# Altium PCB MicroSpecSensorBoard_Layout_V2_1.PcbDoc (part 1 of 2) (continued)
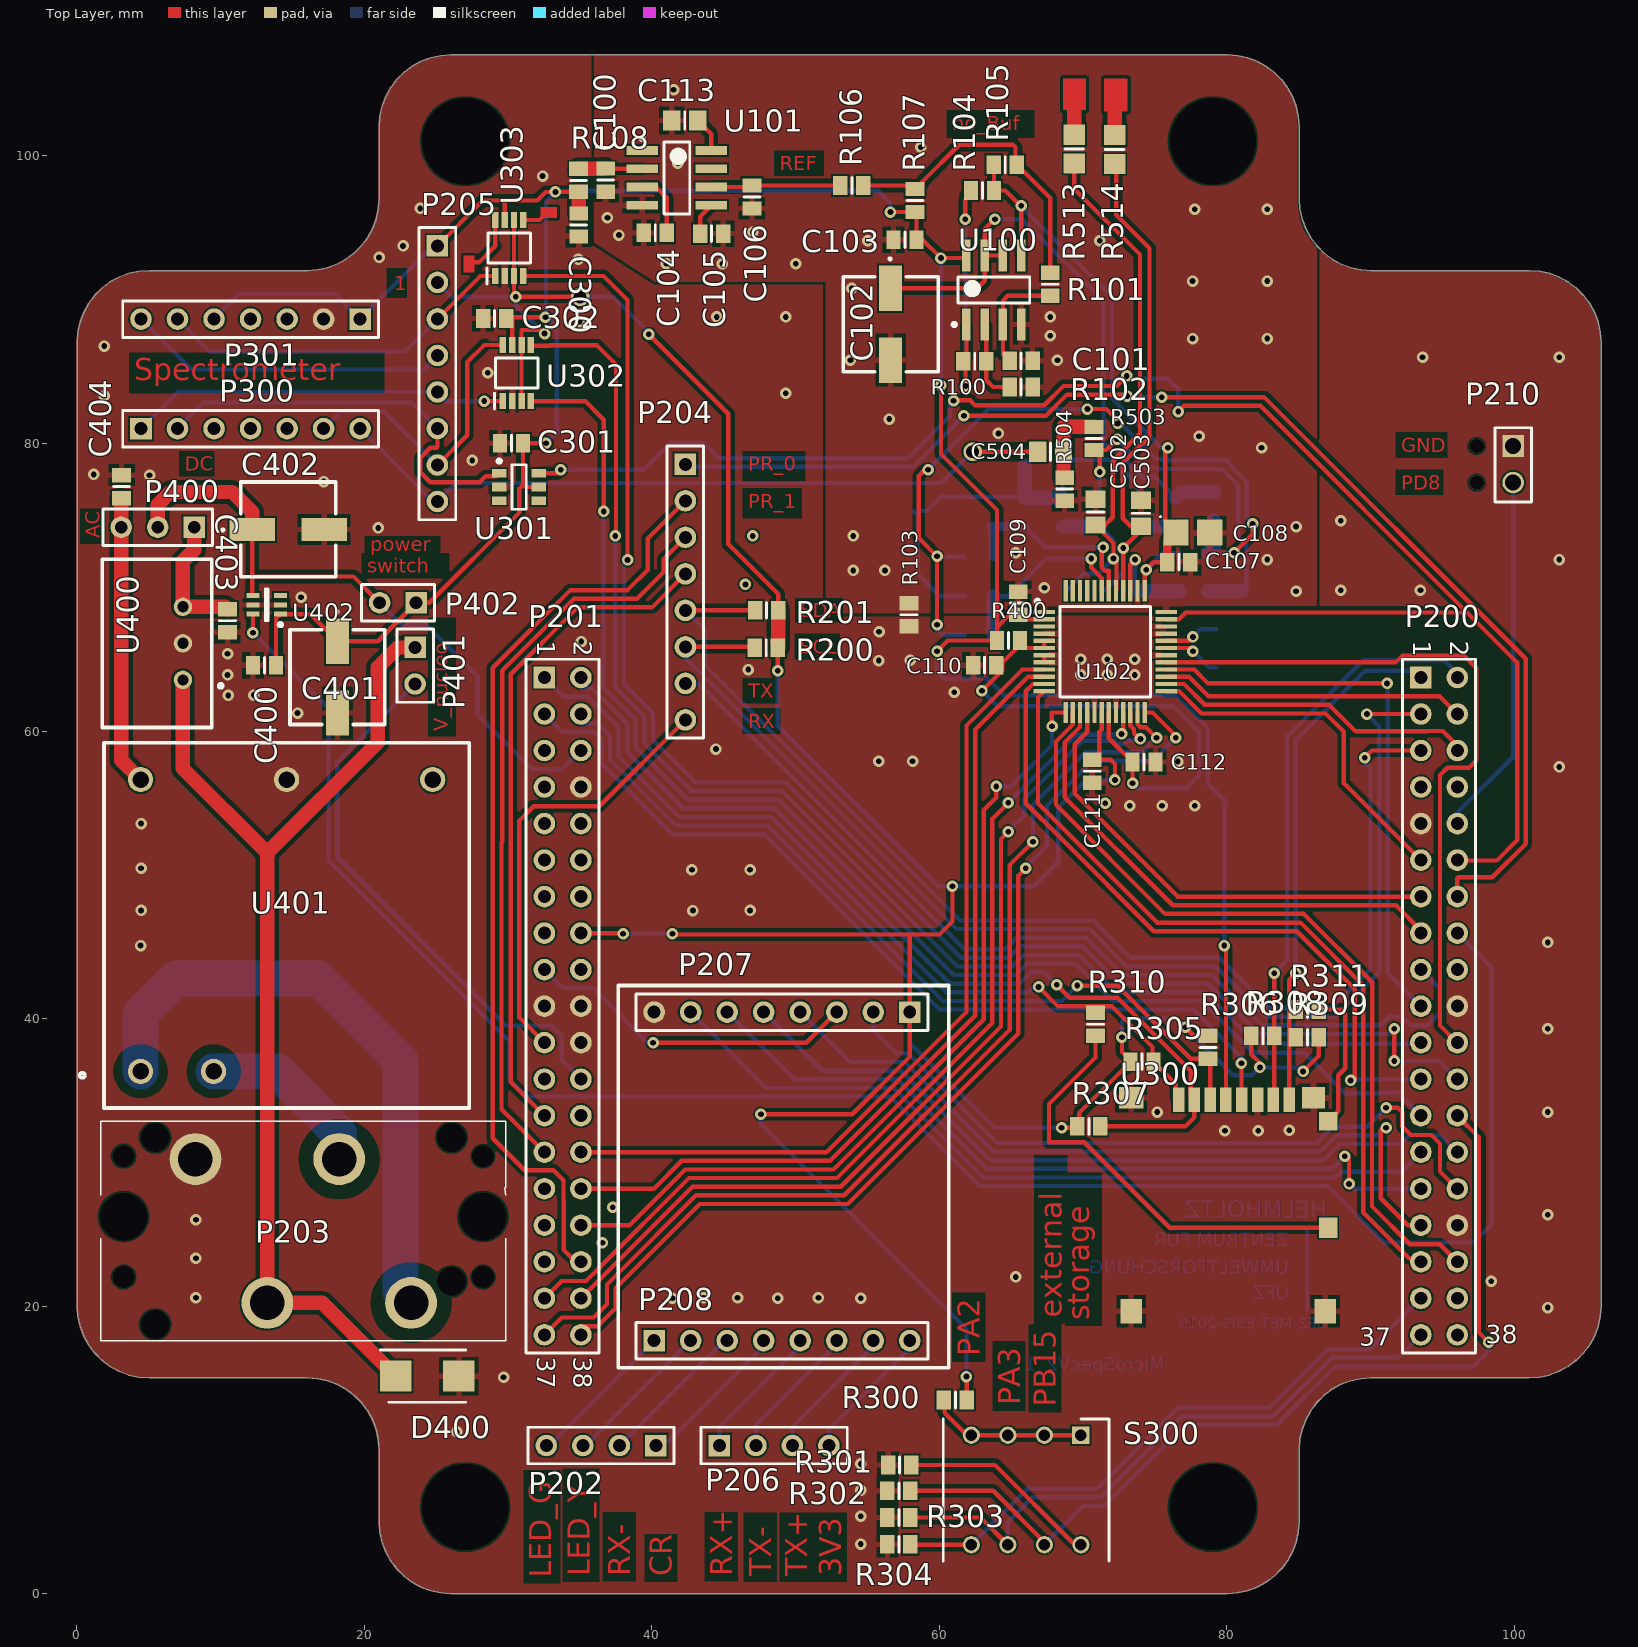
[diagram p0: Top Layer view]
## Footprints (in the part's own frame and the unit in brackets; to place one, negate y for a bottom-side part, rotate by r counter-clockwise, add the part's x,y. Pads: shape width x height; smd on the part's side, far side on the other; paste and mask are expansions set on the pad)
6-0805_L [mm] "Chip Resistor, Body 2.0x1.2mm, IPC High Density"
  rect 1x1.3 smd: 1(-0.8,0) 2(0.8,0)
  silkscreen extent 0,-0.55 0,0.55, body extent -1.07,-0.7 1.07,0.7, height 0.7
6-0805_M [mm] "Chip Resistor, Body 2.0x1.2mm, IPC Low Density"
  rect 1.4x1.5 smd: 1(-1,0) 2(1,0)
  silkscreen extent 0,-0.65 0,0.65, body extent -1.07,-0.7 1.07,0.7, height 0.7
6-0805_N [mm] "Chip Resistor, Body 2.0x1.2mm, IPC Medium Density"
  rect 1.2x1.4 smd: 1(-0.9,0) 2(0.9,0)
  silkscreen extent 0,-0.6 0,0.6, body extent -1.07,-0.7 1.07,0.7, height 0.7
1864053 [mm]
  round 3.6 hole 2.4: 1(-7.5,5) 2(-2.5,-5) 3(2.5,5) 4(7.5,-5)
  round 1 hole 2 unplated: 5(-10.3,3.5) 6(-10.3,-6.5) 9(10.3,6.5) 10(10.3,-6.5)
  round 1.65 hole 3.3 unplated: 7(-12.5,-1) 8(12.5,-1)
  round 0.75 hole 1.5 unplated: 11(-12.5,-5.2) 12(-12.5,3.2) 13(12.5,-5.2) 14(12.5,3.2)
  silkscreen extent -14.09,-7.65 14.09,7.65, body extent -14.15,-7.8 14.15,7.5, height 16.2
CAPCP-3216-18N [mm] "Chip Capacitor, 2-Leads, Body 3,20x1,60mm, IPC Medium Density"
  rect 1.75x1.8 smd: 1(-1.175,0) 2(1.175,0)
  silkscreen extent -2.31,1.06 -2.21,1.16, body extent -1.7,-0.9 1.7,0.9, height 1.6
DIOM5436X265N [mm]
  rect 2.2x2.15 smd: 1(-2.2,0) 2(2.2,0)
  silkscreen extent -3.27,-1.81 2.68,1.81, body extent -2.67,-1.81 2.68,1.81, height 2.65
DIPS762W60P254L1152H705Q8N [mm]
  rect 1.2x1.2 / inner round 1.2 / far side rect 1.2x1.2 hole 0.8: 1(0,0)
  round 1.2 hole 0.8: 2(0,-2.54) 3(0,-5.08) 4(0,-7.62) 5(7.62,-7.62) 6(7.62,-5.08) 7(7.62,-2.54) 8(7.62,0)
  silkscreen extent -1.14,-9.57 8.76,1.95
FKV(D) [mm]
  rect 3.15x1.6 smd: 1(-2.5,0) 2(2.5,0)
  silkscreen extent -4.6,-3.3 3.3,3.3
HDR1X2 [mm] "Connector; Header; 2 Position"
  rect 1.5x1.5 hole 0.9: 1(0,0)
  round 1.5 hole 0.9: 2(2.54,0)
  silkscreen extent -1.27,-1.27 3.81,1.27
"HDR1X2 - phoenix" [mm] "Connector; Header; 2 Position"
  rect 1.5x1.5 hole 1.1: 1(-2.54,0)
  round 1.5 hole 1.1: 2(0,0)
  silkscreen extent -3.81,-1.27 1.36,1.27, body extent -4.01,-3 1.53,3.2, height 8.5
HDR1X3 [mm] "Connector; Header; 3 Position"
  rect 1.5x1.5 hole 0.9: 1(0,0)
  round 1.5 hole 0.9: 2(2.54,0) 3(5.08,0)
  silkscreen extent -1.27,-1.27 6.35,1.27
HDR1X4 [mm] "Connector; Header; 4 Position"
  rect 1.5x1.5 hole 0.9: 1(0,0)
  round 1.5 hole 0.9: 2(2.54,0) 3(5.08,0) 4(7.62,0)
  silkscreen extent -1.27,-1.27 8.89,1.27
HDR1X7 [mm] "Connector; Header; 7 Position"
  rect 1.5x1.5 hole 0.9: 1(0,0)
  round 1.5 hole 0.9: 2(2.54,0) 3(5.08,0) 4(7.62,0) 5(10.16,0) 6(12.7,0) 7(15.24,0)
  silkscreen extent -1.27,-1.27 16.51,1.27
HDR1X8 [mm] "Connector; Header; 8 Position"
  rect 1.5x1.5 hole 0.9: 1(0,0)
  round 1.5 hole 0.9: 2(2.54,0) 3(5.08,0) 4(7.62,0) 5(10.16,0) 6(12.7,0) 7(15.24,0) 8(17.78,0)
  silkscreen extent -1.27,-1.27 19.05,1.27
"HDR1X8 - phoenix" [mm] "Connector; Header; 8 Position"
  rect 1.5x1.5 hole 0.9: 1(0,0)
  round 1.5 hole 0.9: 2(2.54,0) 3(5.08,0) 4(7.62,0) 5(10.16,0) 6(12.7,0) 7(15.24,0) 8(17.78,0)
  silkscreen extent -1.27,-1.27 19.05,1.27, body extent -1.52,-3.1 19.26,3.1, height 8.5
HDR2X19 [mm] "Connector; Header; 19x2 Position"
  rect 1.5x1.5 hole 0.9: 1(0,0)
  round 1.5 hole 0.9: 2(0,2.54) 3(2.54,0) 4(2.54,2.54) 5(5.08,0) 6(5.08,2.54) 7(7.62,0) 8(7.62,2.54) 9(10.16,0) 10(10.16,2.54) 11(12.7,0) 12(12.7,2.54) 13(15.24,0) 14(15.24,2.54) 15(17.78,0) 16(17.78,2.54) 17(20.32,0) 18(20.32,2.54) 19(22.86,0) 20(22.86,2.54) 21(25.4,0) 22(25.4,2.54) 23(27.94,0) 24(27.94,2.54) 25(30.48,0) 26(30.48,2.54) 27(33.02,0) 28(33.02,2.54) 29(35.56,0) 30(35.56,2.54) 31(38.1,0) 32(38.1,2.54) 33(40.64,0) 34(40.64,2.54) 35(43.18,0) 36(43.18,2.54) 37(45.72,0) 38(45.72,2.54)
  silkscreen extent -1.27,-1.27 46.99,3.81
MICRO-SD-CON-EXT [mm] "molex micro sd-car connector serie MICROSD CARD"
  rect 0.8x1.68 smd: 1(3.345,-7.275) 2(2.245,-7.275) 3(1.145,-7.275) 4(0.045,-7.275) 5(-1.055,-7.275) 6(-2.155,-7.275) 7(-3.255,-7.275) 8(-4.355,-7.275)
  rect 1.29x1.3 smd: 9(-7.055,-5.775)
  rect 1.29x1.4 smd: 10(-7.055,1.625)
  rect 1.5x1.7 smd: 11(-6.855,7.425) 12(6.645,7.425)
  rect 1.7x1.5 smd: 13(6.645,-7.425)
  rect 1.6x1.5 smd: 14(-6.055,-7.425)
  body extent -6.7,-7.61 7.6,8.39, height 2.13
QFP50P900X900X160-48N [mm]
  rect 1.475x0.3 smd: 1(-4.238,2.75) 2(-4.238,2.25) 3(-4.238,1.75) 4(-4.238,1.25) 5(-4.238,0.75) 6(-4.238,0.25) 7(-4.238,-0.25) 8(-4.238,-0.75) 9(-4.238,-1.25) 10(-4.238,-1.75) 11(-4.238,-2.25) 12(-4.238,-2.75) 25(4.238,-2.75) 26(4.238,-2.25) 27(4.238,-1.75) 28(4.238,-1.25) 29(4.238,-0.75) 30(4.238,-0.25) 31(4.238,0.25) 32(4.238,0.75) 33(4.238,1.25) 34(4.238,1.75) 35(4.238,2.25) 36(4.238,2.75)
  rect 0.3x1.475 smd: 13(-2.75,-4.238) 14(-2.25,-4.238) 15(-1.75,-4.238) 16(-1.25,-4.238) 17(-0.75,-4.238) 18(-0.25,-4.238) 19(0.25,-4.238) 20(0.75,-4.238) 21(1.25,-4.238) 22(1.75,-4.238) 23(2.25,-4.238) 24(2.75,-4.238) 37(2.75,4.238) 38(2.25,4.238) 39(1.75,4.238) 40(1.25,4.238) 41(0.75,4.238) 42(0.25,4.238) 43(-0.25,4.238) 44(-0.75,4.238) 45(-1.25,4.238) 46(-1.75,4.238) 47(-2.25,4.238) 48(-2.75,4.238)
  silkscreen extent -4.85,-3.15 3.15,3.62, body extent -4.5,-4.5 4.5,4.5, height 1.6
SOIC127P600X175-8N [mm] "SOIC, 8-Leads, Body 5,0x4,0mm (max), Pitch 1,27mm, IPC Medium Density"
  rect 2.2x0.6 smd: 1(-2.4,1.905) 2(-2.4,0.635) 3(-2.4,-0.635) 4(-2.4,-1.905) 5(2.4,-1.905) 6(2.4,-0.635) 7(2.4,0.635) 8(2.4,1.905)
  silkscreen extent -2.52,-2.5 0.9,2.88, body extent -2,-2.5 2,2.5, height 1.75
SOP65P400X130-8N [mm]
  rect 1.1x0.45 smd: 1(-1.95,0.975) 2(-1.95,0.325) 3(-1.95,-0.325) 4(-1.95,-0.975) 5(1.95,-0.975) 6(1.95,-0.325) 7(1.95,0.325) 8(1.95,0.975)
  silkscreen extent -2.5,-1.48 1.05,1.55, body extent -2,-1.47 2,1.48, height 1.3
SOT65P210X110-6N [mm] "SOT23, 6-Leads, Body 2,3x2,4mm (max), Pitch 0,65mm, IPC Medium Density"
  rect 0.9x0.35 smd: 1(-0.95,0.65) 2(-0.95,0) 3(-0.95,-0.65) 4(0.95,-0.65) 5(0.95,0) 6(0.95,0.65)
  silkscreen extent -1.08,-1.1 0.1,1.5, body extent -0.67,-1.12 0.67,1.13, height 1.1
SOT95P280X145-6N [mm] "SOT23, 6-Leads, Body 2,90x2,80mm, Pitch 0,95mm, IPC Medium Density"
  rect 1x0.6 smd: 1(-1.375,0.95) 2(-1.375,0) 3(-1.375,-0.95) 4(1.375,-0.95) 5(1.375,0) 6(1.375,0.95)
  silkscreen extent -1.5,-1.55 0.5,1.92, body extent -0.88,-1.52 0.87,1.53, height 1.45
TMPS05-105 [mm]
  round 1.75 hole 1.15: 1(-10.16,-10.15) 2(-5.08,-10.15) 3(10.16,10.15) 4(0,10.15) 5(-10.16,10.15)
  silkscreen extent -14.39,-12.7 12.7,12.7, body extent -12.85,-12.83 12.85,12.87, height 16.3
TSR-1-24120 [mm]
  round 1.28 hole 0.78: 1(-2.54,0) 2(0,0) 3(2.54,0)
  silkscreen extent -5.85,-2.77 5.85,5.6, body extent -5.85,-2.03 5.85,5.47, height 9.8

## Part data
C100 C101 C103 C104 C105 C106 C107 C109 C110 C111 C112 C300 C301 C302 C400 C403 C404: library part Cap, "Capacitor", LatestRevisionDate=17-Jul-2002, LatestRevisionNote="Re-released for DXP Platform.", PackageDescription="Radial Cap, Thru-Hole; 2 Leads; 0.3 in Pin Spacing", PackageReference=RAD-0.3, Published=8-Jun-2000, Publisher="Altium Limited"
C102: library part EEEFK1J100P, "Ecap 10uF", Manufacturer_Name=Panasonic, RS Part Number=7083588P, Allied_Number=70256560, Datasheet Link=http://uk.rs-online.com/web/p/products/7083588P, Manufacturer_Part_Number=EEEFK1J100P
C108: library part "Cap Pol2", "Polarized Capacitor (Axial)", LatestRevisionDate=17-Jul-2002, LatestRevisionNote="Re-released for DXP Platform.", PackageDescription="Polarized Capacitor; 2 Leads", PackageReference=POLAR0.8, Published=8-Jun-2000, Publisher="Altium Limited"
C113 C500 C501 C502 C503 C504: library part Cap_1, "Capacitor not populated", LatestRevisionDate=17-Jul-2002, LatestRevisionNote="Re-released for DXP Platform.", PackageDescription="Radial Cap, Thru-Hole; 2 Leads; 0.3 in Pin Spacing", PackageReference=RAD-0.3, Published=8-Jun-2000, Publisher="Altium Limited"
C401: library part EEEFK1J100P, "Ecap 47F 63V", Manufacturer_Name=Panasonic, RS Part Number=7083588P, Allied_Number=70256560, Datasheet Link=http://uk.rs-online.com/web/p/products/7083588P, Manufacturer_Part_Number=EEEFK1J100P
C402: library part EEEFK1J100P, "Ecap 100uF 63V", Manufacturer_Name=Panasonic, RS Part Number=7083588P, Allied_Number=70256560, Datasheet Link=http://uk.rs-online.com/web/p/products/7083588P, Manufacturer_Part_Number=EEEFK1J100P
D400: "TVS Diode Uni-Directional SMBJ30A-TR 64.3V, 600W, SMB 2-Pin", Manufacturer_Name=STMicroelectronics, RS Part Number=7141048P, Allied_Number=70390510, Allied Price/Stock=http://www.alliedelec.com/stmicroelectronics-smbj30a-tr/70390510/, Arrow Part Number=SMBJ30A-TR, Arrow Price/Stock=https://www.arrow.com/en/products/smbj30a-tr/stmicroelectronics, Datasheet Link=http://www.st.com/web/en/resource/technical/document/datasheet/CD00001366.pdf, Geometry.Height=2.65mm, Manufacturer_Part_Number=SMBJ30A-TR, RS Price/Stock=http://uk.rs-online.com/web/p/products/7141048P
P200 P201: "Header, 19-Pin, Dual row", LatestRevisionDate=17-Jul-2002, LatestRevisionNote="Re-released for DXP Platform.", Publisher="Altium Limited"
P202 P206: library part "Header 4", "Header, 4-Pin", LatestRevisionDate=17-Jul-2002, LatestRevisionNote="Re-released for DXP Platform.", Publisher="Altium Limited"
P203: library part 1864053, "Push spring connector 5mm pitch 4 way Phoenix Contact SDC Series 5mm Pitch Straight Pluggable Terminal Block, Plug with Plug In Termination, PCB Mount, 4 Way", Manufacturer_Name="Phoenix Contact", RS Part Number=1113745, Datasheet Link=http://uk.rs-online.com/web/p/products/1113745, Geometry.Height=16mm, Manufacturer_Part_Number=1864053
P204: library part MHDR1X8, "Header, 8-Pin Phönix Contact", LatestRevisionDate=17-Jul-2002, LatestRevisionNote="Re-released for DXP Platform.", Publisher="Altium Limited"
P205 P207 P208: library part "Header 8", "Header, 8-Pin", LatestRevisionDate=17-Jul-2002, LatestRevisionNote="Re-released for DXP Platform.", Publisher="Altium Limited"
P210: library part MHDR1X2, "Header, 2-Pin, MKDSN1,5 / 2, Phönix Contact", Publisher="UFZ Leipzig"
P300 P301: library part "Header 7", "Header, 7-Pin", LatestRevisionDate=17-Jul-2002, LatestRevisionNote="Re-released for DXP Platform.", Publisher="Altium Limited"
P400: library part "Header 3", "Header, 3-Pin", LatestRevisionDate=17-Jul-2002, LatestRevisionNote="Re-released for DXP Platform.", Publisher="Altium Limited"
P401 P402: library part "Header 2", "Header, 2-Pin", LatestRevisionDate=17-Jul-2002, LatestRevisionNote="Re-released for DXP Platform.", Publisher="Altium Limited"
R100 R101 R103 R104 R105 R106 R107 R108 R200 R201 R300 R301 R302 R303 R304 R305 R306 R307 R308 R309 R310 R311 R400 R501 R503 R504: library part Res2, "Resistor", LatestRevisionDate=17-Jul-2002, LatestRevisionNote="Re-released for DXP Platform.", PackageDescription="Axial Device, Thru-Hole; 2 Leads; 0.4 in Pin Spacing", PackageReference=AXIAL-0.4, Published=8-Jun-2000, Publisher="Altium Limited"
R102: library part Res2, "Resistor not populated", LatestRevisionDate=17-Jul-2002, LatestRevisionNote="Re-released for DXP Platform.", PackageDescription="Axial Device, Thru-Hole; 2 Leads; 0.4 in Pin Spacing", PackageReference=AXIAL-0.4, Published=8-Jun-2000, Publisher="Altium Limited"
R500: library part Res2, "Resistor_S10 -place", LatestRevisionDate=17-Jul-2002, LatestRevisionNote="Re-released for DXP Platform.", PackageDescription="Axial Device, Thru-Hole; 2 Leads; 0.4 in Pin Spacing", PackageReference=AXIAL-0.4, Published=8-Jun-2000, Publisher="Altium Limited"
R502: library part Res2, "Resistor_S9 - not place", LatestRevisionDate=17-Jul-2002, LatestRevisionNote="Re-released for DXP Platform.", PackageDescription="Axial Device, Thru-Hole; 2 Leads; 0.4 in Pin Spacing", PackageReference=AXIAL-0.4, Published=8-Jun-2000, Publisher="Altium Limited"
R505: library part Res2, "Resistor_S31 -not place", LatestRevisionDate=17-Jul-2002, LatestRevisionNote="Re-released for DXP Platform.", PackageDescription="Axial Device, Thru-Hole; 2 Leads; 0.4 in Pin Spacing", PackageReference=AXIAL-0.4, Published=8-Jun-2000, Publisher="Altium Limited"
R506: library part Res2, "Resistor_S30 -not place", LatestRevisionDate=17-Jul-2002, LatestRevisionNote="Re-released for DXP Platform.", PackageDescription="Axial Device, Thru-Hole; 2 Leads; 0.4 in Pin Spacing", PackageReference=AXIAL-0.4, Published=8-Jun-2000, Publisher="Altium Limited"
R507: library part Res2, "Resistor_S12 -not place", LatestRevisionDate=17-Jul-2002, LatestRevisionNote="Re-released for DXP Platform.", PackageDescription="Axial Device, Thru-Hole; 2 Leads; 0.4 in Pin Spacing", PackageReference=AXIAL-0.4, Published=8-Jun-2000, Publisher="Altium Limited"
R508: library part Res2, "Resistor_S13 -not place", LatestRevisionDate=17-Jul-2002, LatestRevisionNote="Re-released for DXP Platform.", PackageDescription="Axial Device, Thru-Hole; 2 Leads; 0.4 in Pin Spacing", PackageReference=AXIAL-0.4, Published=8-Jun-2000, Publisher="Altium Limited"
R509: library part Res2, "Resistor_S11 -place", LatestRevisionDate=17-Jul-2002, LatestRevisionNote="Re-released for DXP Platform.", PackageDescription="Axial Device, Thru-Hole; 2 Leads; 0.4 in Pin Spacing", PackageReference=AXIAL-0.4, Published=8-Jun-2000, Publisher="Altium Limited"
R510: library part Res2, "Resistor_S4 -place", LatestRevisionDate=17-Jul-2002, LatestRevisionNote="Re-released for DXP Platform.", PackageDescription="Axial Device, Thru-Hole; 2 Leads; 0.4 in Pin Spacing", PackageReference=AXIAL-0.4, Published=8-Jun-2000, Publisher="Altium Limited"
R511: library part Res2, "Resistor_S6 -place", LatestRevisionDate=17-Jul-2002, LatestRevisionNote="Re-released for DXP Platform.", PackageDescription="Axial Device, Thru-Hole; 2 Leads; 0.4 in Pin Spacing", PackageReference=AXIAL-0.4, Published=8-Jun-2000, Publisher="Altium Limited"
R512: library part Res2, "Resistor_S1 -not place", LatestRevisionDate=17-Jul-2002, LatestRevisionNote="Re-released for DXP Platform.", PackageDescription="Axial Device, Thru-Hole; 2 Leads; 0.4 in Pin Spacing", PackageReference=AXIAL-0.4, Published=8-Jun-2000, Publisher="Altium Limited"
R513: library part Res2, "Resistor_S17 -not place", LatestRevisionDate=17-Jul-2002, LatestRevisionNote="Re-released for DXP Platform.", PackageDescription="Axial Device, Thru-Hole; 2 Leads; 0.4 in Pin Spacing", PackageReference=AXIAL-0.4, Published=8-Jun-2000, Publisher="Altium Limited"
R514: library part Res2, "Resistor_S21 -not place", LatestRevisionDate=17-Jul-2002, LatestRevisionNote="Re-released for DXP Platform.", PackageDescription="Axial Device, Thru-Hole; 2 Leads; 0.4 in Pin Spacing", PackageReference=AXIAL-0.4, Published=8-Jun-2000, Publisher="Altium Limited"
R515: library part Res2, "Resistor_Spt7 -not place", LatestRevisionDate=17-Jul-2002, LatestRevisionNote="Re-released for DXP Platform.", PackageDescription="Axial Device, Thru-Hole; 2 Leads; 0.4 in Pin Spacing", PackageReference=AXIAL-0.4, Published=8-Jun-2000, Publisher="Altium Limited"
R516: library part Res2, "Resistor_S2 -not place", LatestRevisionDate=17-Jul-2002, LatestRevisionNote="Re-released for DXP Platform.", PackageDescription="Axial Device, Thru-Hole; 2 Leads; 0.4 in Pin Spacing", PackageReference=AXIAL-0.4, Published=8-Jun-2000, Publisher="Altium Limited"
R517: library part Res2, "Resistor_S8 -not place", LatestRevisionDate=17-Jul-2002, LatestRevisionNote="Re-released for DXP Platform.", PackageDescription="Axial Device, Thru-Hole; 2 Leads; 0.4 in Pin Spacing", PackageReference=AXIAL-0.4, Published=8-Jun-2000, Publisher="Altium Limited"
R518: library part Res2, "Resistor_CS -place", LatestRevisionDate=17-Jul-2002, LatestRevisionNote="Re-released for DXP Platform.", PackageDescription="Axial Device, Thru-Hole; 2 Leads; 0.4 in Pin Spacing", PackageReference=AXIAL-0.4, Published=8-Jun-2000, Publisher="Altium Limited"
R519: library part Res2, "Resistor_RD -place", LatestRevisionDate=17-Jul-2002, LatestRevisionNote="Re-released for DXP Platform.", PackageDescription="Axial Device, Thru-Hole; 2 Leads; 0.4 in Pin Spacing", PackageReference=AXIAL-0.4, Published=8-Jun-2000, Publisher="Altium Limited"
R520: library part Res2, "Resistor_S3 -place", LatestRevisionDate=17-Jul-2002, LatestRevisionNote="Re-released for DXP Platform.", PackageDescription="Axial Device, Thru-Hole; 2 Leads; 0.4 in Pin Spacing", PackageReference=AXIAL-0.4, Published=8-Jun-2000, Publisher="Altium Limited"
R521: library part Res2, "Resistor_S5 -not place", LatestRevisionDate=17-Jul-2002, LatestRevisionNote="Re-released for DXP Platform.", PackageDescription="Axial Device, Thru-Hole; 2 Leads; 0.4 in Pin Spacing", PackageReference=AXIAL-0.4, Published=8-Jun-2000, Publisher="Altium Limited"
S300: "Switch DIP 4 pos raised act solder 4 Way Through Hole DIP Switch SPST, Raised Actuator", Manufacturer_Name=Apem, RS Part Number=8772126, Datasheet Link=http://uk.rs-online.com/web/p/products/8772126, Geometry.Height=7.05mm, Manufacturer_Part_Number=NDS-04-V
U100: "Analog Devices AD8032ARZ, Dual Op Amp Rail-Rail, 5 V, 8-Pin SOIC", Manufacturer_Name="Analog Devices", RS Part Number=0195105P, Arrow Part Number=AD8032ARZ, Arrow Price/Stock=http://uk.rs-online.com/web/p/products/0195105P, Manufacturer_Part_Number=AD8032ARZ, RS Price/Stock=http://uk.rs-online.com/web/p/products/0195105P
U101: "ADR431BRZ, Precision Voltage Reference 2.499 to 2.501V, 0.04% 30mA 20V max. 8-Pin SOIC", Manufacturer_Name="Analog Devices", RS Part Number=9126366, Arrow Part Number=ADR431BRZ, Arrow Price/Stock=https://www.arrow.com/en/products/adr431brz/analog-devices, Datasheet Link=http://www.analog.com/static/imported-files/data_sheets/ADR430_431_433_434_435.pdf, Geometry.Height=1.75mm, Manufacturer_Part_Number=ADR431BRZ, RS Price/Stock=http://uk.rs-online.com/web/p/products/9126366
U102: "AD7671ASTZ, 16-Bit Analogue to Digital Converter, Serial, 48-Pin LQFP", Manufacturer_Name="Analog Devices", RS Part Number=1580250, Arrow Part Number=AD7671ASTZ, Arrow Price/Stock=https://www.arrow.com/en/products/ad7671astz/analog-devices, Datasheet Link=http://www.analog.com/static/imported-files/data_sheets/AD7671.pdf, Geometry.Height=1.6mm, Manufacturer_Part_Number=AD7671ASTZ, RS Price/Stock=http://uk.rs-online.com/web/p/products/1580250
U301: "DUAL SCHMITT-TRIGGER INVERTER", Manufacturer_Name="Texas Instruments", RS Part Number=6628926P, Arrow Part Number=SN74LVC2G14DBVR, Arrow Price/Stock=https://www.arrow.com/en/products/sn74lvc2g14dbvr/texas-instruments, Datasheet Link=http://componentsearchengine.com/Datasheets/3/SN74LVC2G14DBVR.pdf, Manufacturer_Part_Number=SN74LVC2G14DBVR, RS Price/Stock=http://uk.rs-online.com/web/p/products/6628926P
U302 U303: "2-Bit Bidirectional Voltage-Level Shifter for Open-Drain and Push-Pull Application", Manufacturer_Name="Texas Instruments", RS Part Number=1628462, Arrow Part Number=TXS0102DCTR, Arrow Price/Stock=https://www.arrow.com/en/products/txs0102dctr/texas-instruments, Datasheet Link=http://www.ti.com/lit/gpn/txs0102, Geometry.Height=1.3mm, Manufacturer_Part_Number=TXS0102DCTR, RS Price/Stock=http://uk.rs-online.com/web/p/products/1628462
U400: "Switching Regulator,6.5-32Vin,5Vout 1A Switching Regulator, 6.5 ??? 36V dc Input, 5V Output, 1A", Manufacturer_Name="Traco Power", Manufacturer_Part_Number="TSR 1-2450", RS Part Number=6664379P, Datasheet Link=http://uk.rs-online.com/web/p/products/6664379P
U401: "AC/DC Power Modules 5W 5Vdc 1000mA AC/DC Power module", Arrow Part Number="TMPS 05-105", Manufacturer_Name="Traco Power", RS Part Number=8920630, Arrow Price/Stock=http://www.arrow.com/en/products/tmps05-105/traco-power, Datasheet Link=http://assets.tracopower.com/20161031120609/TMPS05/documents/tmps05-datasheet.pdf, Manufacturer_Part_Number="TMPS 05-105", RS Price/Stock=http://uk.rs-online.com/web/p/products/8920630
U402: "high side switch"

## Free pads (board coordinates)
  round 1.524 hole 6 unplated: 3(27.029,101.019) 4(79.029,101.019) 5(79.029,6.019) 6(27.029,6.019)

## Via types
v1: diameter 0.8, hole 0.4, Top Layer to Bottom Layer, 209 vias
v2: diameter 1.3, hole 0.9, Top Layer to Bottom Layer, 2 vias
v3: diameter 1, hole 1, Top Layer to Bottom Layer, 2 vias

## Nets (pads, with @x,y where several pads share a name; then routed paths per layer and width w, separated by ;. In a path a pad name is that pad's centre, name@x,y a point inside that pad or via, vN(x,y) a via of type N, cw(c..) or ccw(c..) an arc to the next point about the centre after c; other vN are vias at no path point)
+3V3: C111.1 P201.16 P205.2 P207.1 R200.2 R201.2 R300.2 R305.2 R306.2 R307.2 R308.1 R309.2 U102.18 U302.3 U302.6 U303.3 U303.6 | length 225.4
  Top Layer w0.3: U303.6@30.413,95.55 U303.3@30.413,91.65 30.413,90.46 30.538,90.335 v1(30.538,90.2) v2(35.013,90.2) ; U302.3@30.938,82.95 U302.6@30.938,86.85 30.938,87.9 v1@32.246,87.9 ; P201.16@35.069,45.944 38.044,45.944 v1(38,45.9) ; v1(39.788,87.6) 45.313,82.075 45.313,73 48.788,69.525 R201.2@48.788,68.4 ; v1(41.438,45.9) 41.488,45.85 57.913,45.85 ; v1(47.588,33.35) 53.941,33.35 57.952,37.361 57.952,40.441 P207.1@57.943,40.45 57.943,45.82 57.913,45.85 ; v1(48.763,64.2) R200.2@48.763,65.8 R200.2@48.763,66.25 ; v1(60.913,49.2) 60.913,46.75 60.013,45.85 57.913,45.85 ; v1(61.888,15.1) 61.913,15.075 R300.2@61.913,13.475 ; v1(68.5,32.4) 69.5,32.4 R307.2@69.6,32.5 69.724,32.624 69.724,33.424 72.8,36.5 72.95,36.5 73.3,36.85 R305.2@73.3,37 73.3,37.15 72.95,37.5 72.876,37.5 72.7,37.676 v1(72.7,38.7) ; C111.1@70.638,58 71.913,58 72.213,57.7 v1(72.213,56.6) ; C111.1@71.125,58.3 71.125,59.937 71.288,60.1 U102.18@71.288,61.287 ; v1(77.1,39.4) 77.7,38.8 R306.2@78.685,38.8 ; R308.1@81.7,38.8 81.7,37.5 82.3,36.9 v1(82.3,36.6) ; v1(85.302,36.325) 86.4,37.423 R309.2@86.4,38.7
  Top Layer w1: R200.2@48.763,66.25 48.788,65.825 R201.2@48.788,68.4
  Bottom Layer w0.3: P205.2@25.088,91.205 26.093,90.2 v1(30.538,90.2) 30.538,89.608 32.271,87.875 32.313,87.875 v1(32.538,87.65) ; v2(35.013,90.2) 37.313,90.2 39.938,87.575 39.813,87.575 v1(39.788,87.6) ; v1(38,45.9) v1(41.438,45.9) ; v1(47.588,33.35) 47.588,32.675 59.882,20.381 59.912,20.381 61.888,18.405 v1(61.888,15.1) ; v1(48.763,64.2) 48.763,60.36 59.923,49.2 60.703,49.2 60.913,48.99 v1(60.913,49.2) 66.588,49.2 68.263,50.875 68.263,54.643 70.22,56.6 v1(72.213,56.6) ; P207.1@57.943,40.45 57.943,38.295 63.838,32.4 v1(68.5,32.4) ; v1(72.7,38.7) 72.7,39.812 72.888,40 76.5,40 v1(77.1,39.4) 80.45,36.05 81.735,36.05 82.3,36.615 v1(82.3,36.6) 85.027,36.6 v1(85.302,36.325)
+5V: C103.1 C109.2 C300.1 C301.2 C302.2 C400.1 C401.1 P205.1 P301.1 P301.5 P402.1 R107.2 R108.2 R400.1 U100.8 U102.2 U300.4 U301.5 U302.7 U303.7 U402.1 | length 205.8
  Top Layer w0.3: C400.1@13.858,64.575 13.858,67.825 U402.1@14.158,68.125 16.258,68.125 C401.1@18.133,66.25 20.933,66.25 P402.1@23.608,68.925 24.513,68.925 30.788,75.2 30.788,76.875 31.038,77.125 ; P205.1@25.088,93.745 28.243,96.9 29.587,96.9 ; U303.7@29.763,95.55 29.763,96.724 29.587,96.9 ; U302.7@30.288,86.85 30.288,88.79 v1(32.6,88.79) 32.6,88.737 v1@32.638,88.7 ; U301.5@32.138,76.975 31.188,76.975 31.038,77.125 ; v1(32.638,80.025) C301.2@31.038,80.025 31.038,77.125 ; R108.2@34.9,97.5 v1(33.3,97.5) 32.627,97.5 32.027,96.9 29.587,96.9 ; v1(56.6,96.1) R107.2@58.3,96.1 58.413,95.987 C103.1@58.413,94.175 58.838,94.175 v1(60.113,92.9) 61.708,92.9 U100.8@61.883,93.075 ; v1(59.838,65.55) 60.588,66.3 R400.1@64.013,66.3 64.013,67.225 ; v1(60.113,84.05) 60.113,79.275 64.013,75.375 64.013,67.225 ; U102.2@67.3,67.775 65.813,67.775 C109.2@65.488,68.1 64.888,68.1 64.013,67.225 ; v1(79.813,45.075) 79.938,44.95 U300.4@79.938,34.35
  Top Layer w1: R108.2@34.9,97.5 34.906,97.5 34.906,96 C300.1@34.912,96
  Bottom Layer w0.3: P301.5@9.549,88.654 11.295,90.4 17.963,90.4 P301.1@19.709,88.654 24.8,93.745 P205.1@25.088,93.745 ; v1(32.638,80.025) 33.388,80.775 33.388,88.259 32.857,88.79 v1(32.6,88.79) 32.6,89.013 32.613,89.025 32.588,89.05 32.638,89.1 32.638,96.838 v1(33.3,97.5) 33.3,97.587 55.715,97.587 56.6,96.702 v1(56.6,96.1) ; v1(59.838,65.55) 59.838,64.1 60.288,63.65 63.338,63.65 64.513,62.475 76.385,62.475 78.688,60.172 78.688,56.325 80.013,55 79.813,54.8 v1(79.813,45.075) ; v1(60.113,84.05) v1(60.113,92.9)
+5V_INPUT: C402.1 P201.6 P400.2 P402.2 U402.4 | length 45.4
  Top Layer w0.3: C402.1@12.208,74.025 12.208,70.75 ; U402.4@12.258,69.425 12.208,69.475 12.208,70.75 ; P402.2@21.068,68.925 19.243,70.75 12.208,70.75
  Top Layer w1: P400.2@5.633,74.175 5.633,75.745 6.513,76.625 10.813,76.625 12.208,75.23 C402.1@12.208,74.025
  Bottom Layer w0.3: P402.2@21.068,68.925 22.618,67.375 24.313,67.375 27.888,63.8 27.888,61.125 31.663,57.35 33.775,57.35 P201.6@35.069,58.644
+5V_TMPS: C404.1 P400.3 U401.5 | length 20.1
  Top Layer w1: C404.1@3.063,76.125 3.093,76.095 P400.3@3.093,74.175 3.093,57.97 U401.5@4.438,56.625
+5V_TSR: C403.2 P400.1 U400.3 | length 9
  Top Layer w1: P400.1@8.173,74.175 8.173,72.6 7.383,71.81 U400.3@7.383,68.64 10.318,68.64 C403.2@10.483,68.475
+DC_IN: D400.1 P203.3 P401.1 U400.1 | length 76.1
  Top Layer w1: U400.1@7.383,63.56 7.383,57.4 13.258,51.525 ; D400.1@22.183,15.125 17.083,20.225 P203.3@13.258,20.225 13.258,51.525 ; P401.1@23.533,65.815 22.328,65.815 20.938,64.425 20.938,59.205 13.258,51.525
+VS: R514.1 | length 2.9
  Top Layer w1: R514.1@72.188,101.45 72.188,104.39
-VS: R513.1 | length 2.9
  Top Layer w1: R513.1@69.388,101.475 69.388,104.4
A1: U303.5 | length 2
  Top Layer w0.3: U303.5@31.063,95.55 31.35,95.55 32.193,95.55 32.483,95.84 32.483,95.959 32.624,96.1 32.743,96.1
AC_L: P203.2 U401.2 | length 12.3
  Bottom Layer w2.5: U401.2@9.518,36.325 13.963,36.325 18.258,32.03 P203.2@18.258,30.225
AC_N: P203.1 U401.1 | length 42.6
  Bottom Layer w2.5: U401.1@4.438,36.325 4.438,40.325 6.888,42.775 16.838,42.775 22.513,37.1 22.513,20.97 P203.1@23.258,20.225
AGND: C100.2 C101.2 C102.2 C103.2 C104.2 C105.2 C106.2 C107.1 C108.2 C109.1 C113.1 C500.2 C501.1 C502.2 C503.2 R102.1 R103.2 R500.1 R504.1 R515.1 R520.2 R521.1 U100.4 U101.4 U102.1 U102.36 U102.38
  other v1: 84.813,69.725 67.313,69.975 54.013,71.175 56.213,71.175 82.813,71.925 65.313,72.4 54.013,73.575 84.813,74.225 82.413,79.7 78.063,80.5 64.113,80.7 56.513,81.7 53.813,85.8 68.213,85.8 77.613,87.3 82.813,87.3 67.713,87.5 67.713,88.8 53.913,90.8 77.613,91.3 82.813,91.3 41.013,92.5 44.913,92.5 50.013,92.5 55.013,94.1 71.163,94.1 37.713,94.5 47.013,94.7 36.913,95.7 77.763,96.3 82.813,96.3 41.813,99.5 58.713,100.6 41.513,104.6
B1: U303.8 | length 4
  Top Layer w0.3: 27.4,92.6 27.975,92.6 29.113,93.738 U303.8@29.113,95.55
BUF: R100.2 R104.2 U100.1 | length 18.2
  Top Layer w0.3: v1(61.8,95.6) 61.8,96.924 61.85,96.974 61.85,97.25 R104.2@62.2,97.6 ; v1(61.813,84) 61.813,85.575 R100.2@61.663,85.725 61.883,85.945 U100.1@61.883,88.275
  Bottom Layer w0.3: v1(61.8,95.6) v1(61.813,84)
Case: P205.4 P301.7 | length 22.5
  Bottom Layer w0.3: P301.7@4.469,88.654 7.973,85.15 24.113,85.15 P205.4@25.088,86.125
CLK: P205.3 P301.6 U303.1 | length 25.2
  Top Layer w0.3: P205.3@25.088,88.665 28.073,91.65 U303.1@29.113,91.65
  Bottom Layer w0.3: P301.6@7.009,88.654 9.288,86.375 22.798,86.375 P205.3@25.088,88.665
CS: R518.2 U102.32 | length 3.8
  Top Layer w0.3: U102.32@75.776,66.275 77.363,66.275 v1(77.638,66.55)
  Bottom Layer w0.3: v1(77.638,66.55) 78.163,67.075 R518.2@79.263,67.075
DVDD: C110.1 C112.1 R400.2 U102.5 U102.6 U102.19 | length 37.1
  Top Layer w0.3: v1(62.963,62.8) 64.388,64.225 64.388,64.775 R400.2@65.538,65.925 ; R400.2@65.538,66.275 R400.2@65.538,65.925 ; U102.5@67.3,66.275 U102.6@67.3,65.775 65.638,65.775 65.538,65.875 R400.2@65.538,65.925 ; U102.19@71.788,61.287 71.788,59.5 C112.1@73.438,57.85 v1(73.438,56.375)
  Bottom Layer w0.3: v1@62.838,62.925 v1(62.963,62.8) 64.038,61.725 76.288,61.725 78.063,59.95 78.063,56.9 77.188,56.025 73.788,56.025 v1(73.438,56.375)
EOS: P205.7 P300.6 U302.8 | length 21
  Top Layer w0.3: P205.7@25.088,78.505 27.163,80.58 27.163,85.66 28.353,86.85 U302.8@29.638,86.85
  Bottom Layer w0.3: P300.6@17.169,81.034 18.385,82.25 21.343,82.25 P205.7@25.088,78.505
GLED_K: P202.4 P208.1 | length 10.5
  Bottom Layer w0.3: P202.4@32.66,10.3 32.863,10.3 P208.1@40.163,17.6
GND: C110.2 C111.2 C112.2 C300.2 C301.1 C302.1 C400.2 C401.2 C402.2 C403.1 C404.2 D400.2 P200.9 P200.20 P200.32 P201.8 P201.19 P201.20 P201.22 P203.4 P207.8 P210.1 P301.2 R103.1 R301.1 R302.1 R303.1 R304.1 R518.1 R519.1 U102.4 U102.7 U102.8 U102.17 U102.20 U102.30 U102.33 U102.34 U300.6 U300.11 U300.12 U300.13 U300.14 U301.2 U302.2 U303.2 U400.2 U401.4 U402.2 U402.5 | length 0.5
  Top Layer w0.3: U102.8@67.275,64.8 U102.8@67.3,64.775 U102.7@67.3,65.275
  other v1: 54.538,3.45 54.538,5.375 54.538,7.175 54.538,9.025 26.438,11.25 29.688,15.05 102.313,19.9 41.438,20.544 48.763,20.544 54.538,20.544 8.288,20.575 43.6,20.575 45.963,20.575 51.588,20.575 98.388,21.725 65.321,22.025 8.288,23.325 8.288,26 102.313,26.349 79.863,32.2 82.188,32.2 84.338,32.225 75.161,33.5 102.313,33.5 102.313,39.3 4.438,45.075 102.313,45.3 42.863,47.516 4.469,47.525 46.838,47.525 42.788,50.35 46.838,50.35 4.469,50.45 4.469,53.564 73.238,54.8 75.488,54.8 77.763,54.8 103.113,57.5 76.579,57.875 55.788,57.9 58.138,57.9 44.463,58.75 15.363,61.25 10.538,62.475 12.313,62.5 61.038,62.691 10.488,63.9 69.843,63.901 71.665,63.901 73.6,63.901 46.713,64.275 55.788,64.9 57.963,64.925 69.829,65 71.673,65 73.6,65 10.488,65.375 35.088,66.225 55.803,66.9 15.6,69.3 87.913,69.8 93.463,69.8 103.113,71.925 20.963,74.125 87.913,74.625 17.188,77.35 5.063,77.8 1.188,77.85 27.513,78.825 1.913,83.325 49.313,83.5 28.588,84.925 93.613,86 103.113,86 1.913,86.775 34.988,88.475 44.513,88.8 49.313,88.8 34.9,92.8 21.025,92.947 22.7,93.745 23.888,96.35 32.4,98.6
"IN A": C503.1 R512.1 R514.2 R516.1 R520.1 U102.40 | length 40.6
  Top Layer w0.3: R514.2@72.3,99.05 72.3,95.9 74.613,93.587 74.613,80.525 74.563,80.475 74.563,80.376 74.211,80.025 74.113,80.025 73.813,79.725 73.813,79.699 72.964,78.85 72.938,78.85 72.763,78.675 72.763,74.8 73.313,74.25 C503.1@74.038,74.25 74.038,73.975 v1(72.788,72.725) U102.40@72.788,69.763
  Bottom Layer w0.3: R520.1@71.538,69.8 72.788,71.05 v1(72.788,72.725) 73.763,73.7 R516.1@73.763,74.225
  Bottom Layer w1: R516.1@73.788,74.225 R512.1@76.438,74.225